# KiCad board reform2-motherboard.kicad_pcb (continued)
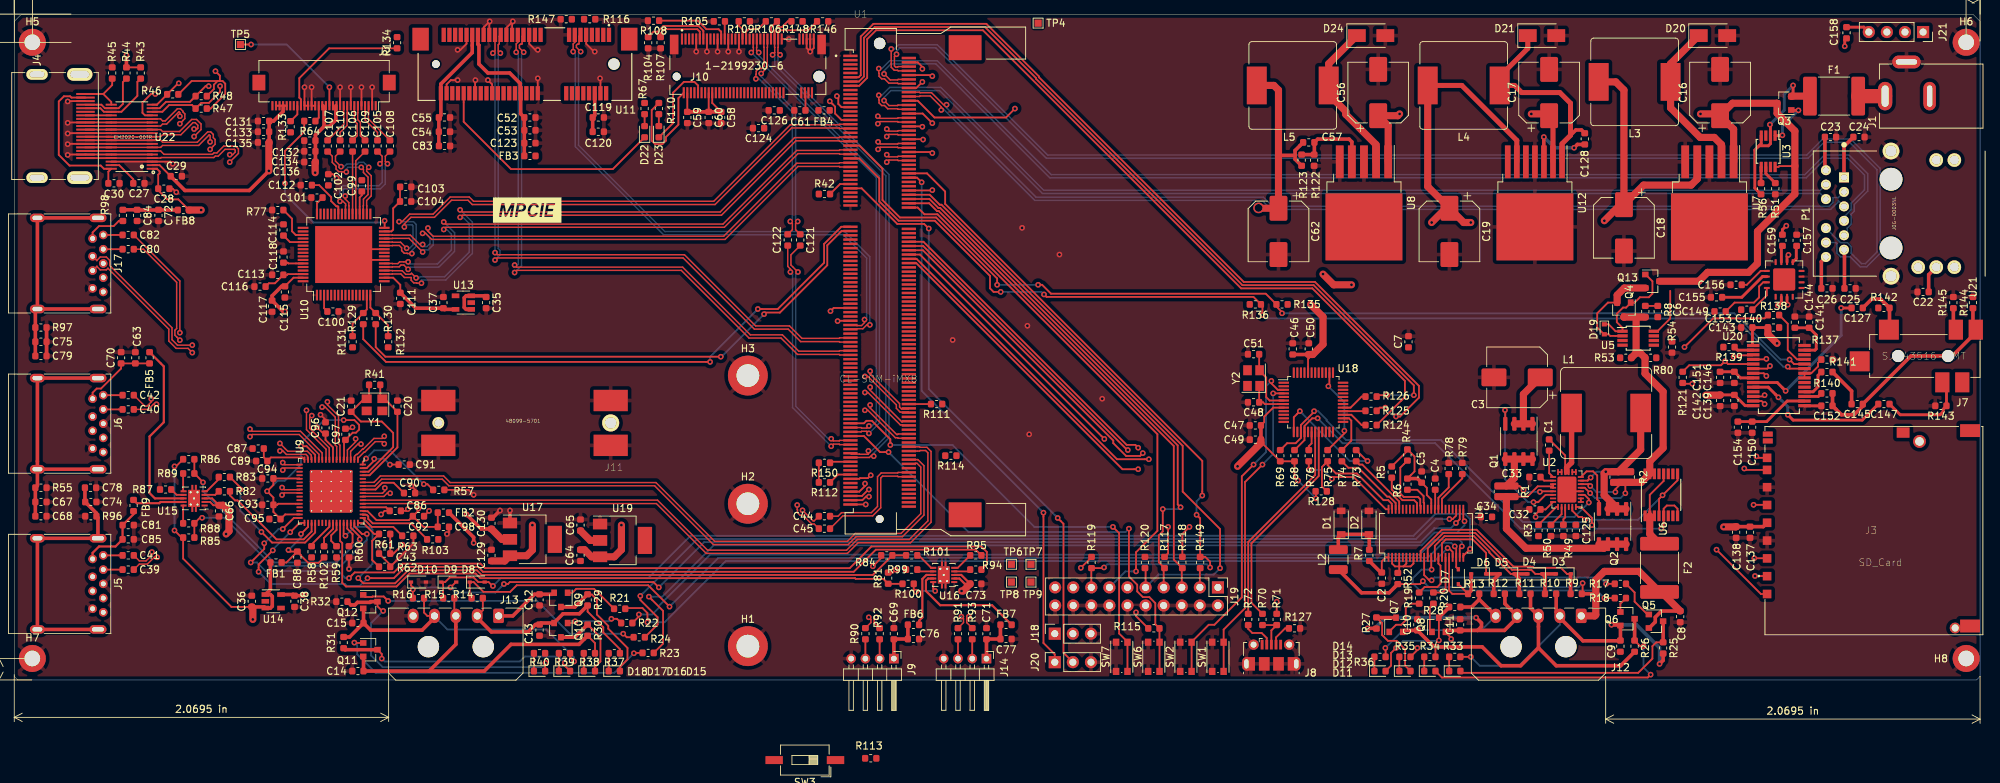
[diagram p0: board, top side]
## Footprints (pads in the part's own frame, mm; a bottom-side part is the same pattern mirrored in y, then rotated)
C_0603_1608Metric
  rrect 0.875x0.95 smd: 1(-0.787,0) 2(0.787,0)
CP_Elec_8x10
  rrect 3.5x2.5 smd: 1(-3.25,0) 2(3.25,0)
Crystal_SMD_Abracon_ABM8G-4Pin_3.2x2.5mm
  rect 1.4x1.2 smd: 1(-1.1,-0.85) 2(1.1,-0.85) 3(1.1,0.85) 4(-1.1,0.85)
D_SMA
  rect 2.5x1.8 smd: 1(-2,0) 2(2,0)
D_SOD-123
  rect 0.9x1.2 smd: 1(-1.65,0) 2(1.65,0)
D_SOD-323
  rect 0.6x0.45 smd: 1(-1.05,0) 2(1.05,0)
D_SOD-523
  rect 0.6x0.7 smd: 1(-0.7,0) 2(0.7,0)
Fuse_2920_7451Metric
  rrect 1.925x5.45 smd: 1(-3.388,0) 2(3.388,0)
HDMI-685119134923
  rect 0.28x2.6 smd: 1(4.5,0) 2(4,0) 3(3.5,0) 4(3,0) 5(2.5,0) 6(2,0) 7(1.5,0) 8(1,0) 9(0.5,0) 10(0,0) 11(-0.5,0) 12(-1,0) 13(-1.5,0) 14(-2,0) 15(-2.5,0) 16(-3,0) 17(-3.5,0) 18(-4,0) 19(-4.5,0)
  oval 1.778x3.556 hole 1x2.7: SHEL(-7.25,-0.8)
  oval 1.5x3 hole 0.9x2.1: SHEL(-7.25,-6.8) SHEL(7.25,-6.8)
  oval 1.778x3.556 hole 0.9x2.7: SHEL(7.25,-0.8)
Hirose_FH12-30S-0.5SH_1x30-1MP_P0.50mm_Horizontal
  rect 0.3x1.3 smd: 1(-7.25,1.85) 2(-6.75,1.85) 3(-6.25,1.85) 4(-5.75,1.85) 5(-5.25,1.85) 6(-4.75,1.85) 7(-4.25,1.85) 8(-3.75,1.85) 9(-3.25,1.85) 10(-2.75,1.85) 11(-2.25,1.85) 12(-1.75,1.85) 13(-1.25,1.85) 14(-0.75,1.85) 15(-0.25,1.85) 16(0.25,1.85) 17(0.75,1.85) 18(1.25,1.85) 19(1.75,1.85) 20(2.25,1.85) 21(2.75,1.85) 22(3.25,1.85) 23(3.75,1.85) 24(4.25,1.85) 25(4.75,1.85) 26(5.25,1.85) 27(5.75,1.85) 28(6.25,1.85) 29(6.75,1.85) 30(7.25,1.85)
  rect 1.8x2.2 smd: MP(-9.15,-1.4) MP(9.15,-1.4)
HTQFP-64-1EP_10x10mm_P0.5mm_EP8x8mm
  rect 3.2x3.2 smd: (-2,2) (-2,-2) (2,2) (2,-2)
  rect 1.5x0.3 smd: 1(-5.7,3.75) 2(-5.7,3.25) 3(-5.7,2.75) 4(-5.7,2.25) 5(-5.7,1.75) 6(-5.7,1.25) 7(-5.7,0.75) 8(-5.7,0.25) 9(-5.7,-0.25) 10(-5.7,-0.75) 11(-5.7,-1.25) 12(-5.7,-1.75) 13(-5.7,-2.25) 14(-5.7,-2.75) 15(-5.7,-3.25) 16(-5.7,-3.75) 33(5.7,-3.75) 34(5.7,-3.25) 35(5.7,-2.75) 36(5.7,-2.25) 37(5.7,-1.75) 38(5.7,-1.25) 39(5.7,-0.75) 40(5.7,-0.25) 41(5.7,0.25) 42(5.7,0.75) 43(5.7,1.25) 44(5.7,1.75) 45(5.7,2.25) 46(5.7,2.75) 47(5.7,3.25) 48(5.7,3.75)
  rect 0.3x1.5 smd: 17(-3.75,-5.7) 18(-3.25,-5.7) 19(-2.75,-5.7) 20(-2.25,-5.7) 21(-1.75,-5.7) 22(-1.25,-5.7) 23(-0.75,-5.7) 24(-0.25,-5.7) 25(0.25,-5.7) 26(0.75,-5.7) 27(1.25,-5.7) 28(1.75,-5.7) 29(2.25,-5.7) 30(2.75,-5.7) 31(3.25,-5.7) 32(3.75,-5.7) 49(3.75,5.7) 50(3.25,5.7) 51(2.75,5.7) 52(2.25,5.7) 53(1.75,5.7) 54(1.25,5.7) 55(0.75,5.7) 56(0.25,5.7) 57(-0.25,5.7) 58(-0.75,5.7) 59(-1.25,5.7) 60(-1.75,5.7) 61(-2.25,5.7) 62(-2.75,5.7) 63(-3.25,5.7) 64(-3.75,5.7)
  rect 8x8 smd: 65(0,0)
L_0603_1608Metric
  rrect 0.875x0.95 smd: 1(-0.787,0) 2(0.787,0)
L_1210_3225Metric
  rrect 1.25x2.65 smd: 1(-1.4,0) 2(1.4,0)
L_Bourns_SRR1210A
  rect 2.8x5.3 smd: 1(-5.05,0) 2(5.05,0)
L_Bourns_SRR1260
  rect 2.9x5.4 smd: 1(-4.85,0) 2(4.85,0)
LED_0603_1608Metric
  rrect 0.875x0.95 smd: 1(-0.787,0) 2(0.787,0)
LQFP-48_7x7mm_P0.5mm
  rrect 1.475x0.3 smd: 1(-4.162,2.75) 2(-4.162,2.25) 3(-4.162,1.75) 4(-4.162,1.25) 5(-4.162,0.75) 6(-4.162,0.25) 7(-4.162,-0.25) 8(-4.162,-0.75) 9(-4.162,-1.25) 10(-4.162,-1.75) 11(-4.162,-2.25) 12(-4.162,-2.75) 25(4.162,-2.75) 26(4.162,-2.25) 27(4.162,-1.75) 28(4.162,-1.25) 29(4.162,-0.75) 30(4.162,-0.25) 31(4.162,0.25) 32(4.162,0.75) 33(4.162,1.25) 34(4.162,1.75) 35(4.162,2.25) 36(4.162,2.75)
  rrect 0.3x1.475 smd: 13(-2.75,-4.162) 14(-2.25,-4.162) 15(-1.75,-4.162) 16(-1.25,-4.162) 17(-0.75,-4.162) 18(-0.25,-4.162) 19(0.25,-4.162) 20(0.75,-4.162) 21(1.25,-4.162) 22(1.75,-4.162) 23(2.25,-4.162) 24(2.75,-4.162) 37(2.75,4.162) 38(2.25,4.162) 39(1.75,4.162) 40(1.25,4.162) 41(0.75,4.162) 42(0.25,4.162) 43(-0.25,4.162) 44(-0.75,4.162) 45(-1.25,4.162) 46(-1.75,4.162) 47(-2.25,4.162) 48(-2.75,4.162)
MOLEX_48099-5701
  rect 4.8x3 smd: 1(-12.1,-3.15) 2(-12.1,3.15) 3(12.1,-3.15) 4(12.1,3.15)
  round 2.4 hole 1.6: 5(-12.1,0)
  round 1.65 hole 1.1: 6(12.1,0)
MOLEX_67910-5700
  round 1.6 hole 1.6 unplated: (-10.7,0)
  round 1.1 hole 1.1 unplated: (14.3,0)
  rect 0.6x2 smd: 1(-10,-4.1) 2(-9.6,4.1) 3(-9.2,-4.1) 4(-8.8,4.1) 5(-8.4,-4.1) 6(-8,4.1) 7(-7.6,-4.1) 8(-7.2,4.1) 9(-6.8,-4.1) 10(-6.4,4.1) 11(-6,-4.1) 12(-5.6,4.1) 13(-5.2,-4.1) 14(-4.8,4.1) 15(-4.4,-4.1) 16(-4,4.1) 17(-0.4,-4.1) 18(0,4.1) 19(0.4,-4.1) 20(0.8,4.1) 21(1.2,-4.1) 22(1.6,4.1) 23(2,-4.1) 24(2.4,4.1) 25(2.8,-4.1) 26(3.2,4.1) 27(3.6,-4.1) 28(4,4.1) 29(4.4,-4.1) 30(4.8,4.1) 31(5.2,-4.1) 32(5.6,4.1) 33(6,-4.1) 34(6.4,4.1) 35(6.8,-4.1) 36(7.2,4.1) 37(7.6,-4.1) 38(8,4.1) 39(8.4,-4.1) 40(8.8,4.1) 41(9.2,-4.1) 42(9.6,4.1) 43(10,-4.1) 44(10.4,4.1) 45(10.8,-4.1) 46(11.2,4.1) 47(11.6,-4.1) 48(12,4.1) 49(12.4,-4.1) 50(12.8,4.1) 51(13.2,-4.1) 52(13.6,4.1)
  rect 2.3x3.2 smd: 53(-12.85,-3.5) 54(16.45,-3.5)
Molex_Micro-Fit_3.0_43650-0500_1x05_P3.00mm_Horizontal
  round 3 hole 3 unplated: (2.15,4.32) (9.85,4.32)
  rrect 1.5x2.02 hole 1.02: 1(0,0)
  oval 1.5x2.02 hole 1.02: 2(3,0) 3(6,0) 4(9,0) 5(12,0)
MountingHole_2.2mm_M2_DIN965_Pad
  round 3.8 hole 2.2: 1(0,0)
MountingHole_3.2mm_M3_DIN965_Pad
  round 5.6 hole 3.2: 1(0,0)
MSOP-8_3x3mm_P0.65mm
  rect 1.45x0.45 smd: 1(-2.2,0.975) 2(-2.2,0.325) 3(-2.2,-0.325) 4(-2.2,-0.975) 5(2.2,-0.975) 6(2.2,-0.325) 7(2.2,0.325) 8(2.2,0.975)
PinHeader_1x04_P2.00mm_Horizontal
  rect 1.35x1.35 hole 0.8: 1(0,0)
  oval 1.35x1.35 hole 0.8: 2(0,-2) 3(0,-4) 4(0,-6)
PinHeader_2x10_P2.54mm_Vertical
  rect 1.7x1.7 hole 1: 1(0,0)
  oval 1.7x1.7 hole 1: 2(2.54,0) 3(0,-2.54) 4(2.54,-2.54) 5(0,-5.08) 6(2.54,-5.08) 7(0,-7.62) 8(2.54,-7.62) 9(0,-10.16) 10(2.54,-10.16) 11(0,-12.7) 12(2.54,-12.7) 13(0,-15.24) 14(2.54,-15.24) 15(0,-17.78) 16(2.54,-17.78) 17(0,-20.32) 18(2.54,-20.32) 19(0,-22.86) 20(2.54,-22.86)
PinSocket_1x03_P2.54mm_Vertical
  rect 1.7x1.7 hole 1: 1(0,0)
  oval 1.7x1.7 hole 1: 2(0,-2.54) 3(0,-5.08)
PinSocket_1x04_P2.54mm_Vertical
  rect 1.7x1.7 hole 1: 1(0,0)
  oval 1.7x1.7 hole 1: 2(0,-2.54) 3(0,-5.08) 4(0,-7.62)
PULSE_J0G-0003NL
  round 3.2 hole 3.2 unplated: (-4.825,0) (4.825,0)
  rect 1.398x1.398 hole 0.89: 1(-5.075,-6.6)
  round 1.398 hole 0.89: 2(-3.045,-6.6) 3(-1.015,-6.6) 4(1.015,-6.6) 5(3.045,-6.6) 6(5.075,-6.6) 7(-6.095,-9.14) 8(-4.065,-9.14) 9(-2.035,-9.14) 10(2.035,-9.14) 11(4.065,-9.14) 12(6.095,-9.14)
  round 1.905 hole 1.27: 13(-7.52,6.35) 14(-7.52,8.89) 15(7.52,3.81) 16(7.52,6.35) 17(7.52,8.89)
  round 2.355 hole 1.57: SH1(-8.79,0) SH2(8.79,0)
QFN-28-1EP_4x5mm_P0.5mm_EP2.65x3.65mm
  rrect 1.07x0.98 smd: (-0.66,1.22) (-0.66,0) (-0.66,-1.22) (0.66,1.22) (0.66,0) (0.66,-1.22)
  rrect 0.85x0.25 smd: 1(-1.95,1.75) 2(-1.95,1.25) 3(-1.95,0.75) 4(-1.95,0.25) 5(-1.95,-0.25) 6(-1.95,-0.75) 7(-1.95,-1.25) 8(-1.95,-1.75) 15(1.95,-1.75) 16(1.95,-1.25) 17(1.95,-0.75) 18(1.95,-0.25) 19(1.95,0.25) 20(1.95,0.75) 21(1.95,1.25) 22(1.95,1.75)
  rrect 0.25x0.85 smd: 9(-1.25,-2.45) 10(-0.75,-2.45) 11(-0.25,-2.45) 12(0.25,-2.45) 13(0.75,-2.45) 14(1.25,-2.45) 23(1.25,2.45) 24(0.75,2.45) 25(0.25,2.45) 26(-0.25,2.45) 27(-0.75,2.45) 28(-1.25,2.45)
  rrect 2.65x3.65 smd: 29(0,0)
QFN-64-1EP_9x9mm_P0.5mm_EP6x6mm_ThermalVias
  rrect 1.209x1.209 smd: (-2.062,2.062) (-2.062,0.688) (-2.062,-0.688) (-2.062,-2.062) (-0.688,2.062) (-0.688,0.688) (-0.688,-0.688) (-0.688,-2.062) (0.688,2.062) (0.688,0.688) (0.688,-0.688) (0.688,-2.062) (2.062,2.062) (2.062,0.688) (2.062,-0.688) (2.062,-2.062)
  rrect 0.875x0.25 smd: 1(-4.438,3.75) 2(-4.438,3.25) 3(-4.438,2.75) 4(-4.438,2.25) 5(-4.438,1.75) 6(-4.438,1.25) 7(-4.438,0.75) 8(-4.438,0.25) 9(-4.438,-0.25) 10(-4.438,-0.75) 11(-4.438,-1.25) 12(-4.438,-1.75) 13(-4.438,-2.25) 14(-4.438,-2.75) 15(-4.438,-3.25) 16(-4.438,-3.75) 33(4.438,-3.75) 34(4.438,-3.25) 35(4.438,-2.75) 36(4.438,-2.25) 37(4.438,-1.75) 38(4.438,-1.25) 39(4.438,-0.75) 40(4.438,-0.25) 41(4.438,0.25) 42(4.438,0.75) 43(4.438,1.25) 44(4.438,1.75) 45(4.438,2.25) 46(4.438,2.75) 47(4.438,3.25) 48(4.438,3.75)
  rrect 0.25x0.875 smd: 17(-3.75,-4.438) 18(-3.25,-4.438) 19(-2.75,-4.438) 20(-2.25,-4.438) 21(-1.75,-4.438) 22(-1.25,-4.438) 23(-0.75,-4.438) 24(-0.25,-4.438) 25(0.25,-4.438) 26(0.75,-4.438) 27(1.25,-4.438) 28(1.75,-4.438) 29(2.25,-4.438) 30(2.75,-4.438) 31(3.25,-4.438) 32(3.75,-4.438) 49(3.75,4.438) 50(3.25,4.438) 51(2.75,4.438) 52(2.25,4.438) 53(1.75,4.438) 54(1.25,4.438) 55(0.75,4.438) 56(0.25,4.438) 57(-0.25,4.438) 58(-0.75,4.438) 59(-1.25,4.438) 60(-1.75,4.438) 61(-2.25,4.438) 62(-2.75,4.438) 63(-3.25,4.438) 64(-3.75,4.438)
  round 0.5 hole 0.2: 65(-2.75,2.75) 65(-2.75,1.375) 65(-2.75,0) 65(-2.75,-1.375) 65(-2.75,-2.75) 65(-1.375,2.75) 65(-1.375,1.375) 65(-1.375,0) 65(-1.375,-1.375) 65(-1.375,-2.75) 65(0,2.75) 65(0,1.375) 65(0,0) 65(0,-1.375) 65(0,-2.75) 65(1.375,2.75) 65(1.375,1.375) 65(1.375,0) 65(1.375,-1.375) 65(1.375,-2.75) 65(2.75,2.75) 65(2.75,1.375) 65(2.75,0) 65(2.75,-1.375) 65(2.75,-2.75)
  rrect 6x6 smd: 65(0,0)
  rrect 6x6 smd far side: 65(0,0)
R_0603_1608Metric
  rrect 0.875x0.95 smd: 1(-0.787,0) 2(0.787,0)
R_0612_1632Metric
  rrect 1x3.4 smd: 1(-0.75,0) 2(0.75,0)
SJ-43516-SMT
  round 1.7 hole 1.7 unplated: (-3.5,0) (3.5,0)
  rect 2x2.8 smd: 1(-7.4,-3.7) 3(-2.7,3.7) 4(-4.6,-3.7) 6(-5.5,3.7)
  rect 2.8x2.8 smd: 2(4.8,-3.7) 5(8.9,0.75)
SOIC-8_3.9x4.9mm_P1.27mm
  rrect 1.95x0.6 smd: 1(-2.475,1.905) 2(-2.475,0.635) 3(-2.475,-0.635) 4(-2.475,-1.905) 5(2.475,-1.905) 6(2.475,-0.635) 7(2.475,0.635) 8(2.475,1.905)
SOT-23
  rect 0.9x0.8 smd: 1(-1,0.95) 2(-1,-0.95) 3(1,0)
SOT-23-5
  rect 1.06x0.65 smd: 1(-1.1,0.95) 2(-1.1,0) 3(-1.1,-0.95) 4(1.1,-0.95) 5(1.1,0.95)
SOT-223
  rect 2x1.5 smd: 1(-3.15,2.3) 2(-3.15,0) 3(-3.15,-2.3)
  rect 2x3.8 smd: 4(3.15,0)
SSOP-28_5.3x10.2mm_P0.65mm
  rect 1.75x0.45 smd: 1(-3.6,4.225) 2(-3.6,3.575) 3(-3.6,2.925) 4(-3.6,2.275) 5(-3.6,1.625) 6(-3.6,0.975) 7(-3.6,0.325) 8(-3.6,-0.325) 9(-3.6,-0.975) 10(-3.6,-1.625) 11(-3.6,-2.275) 12(-3.6,-2.925) 13(-3.6,-3.575) 14(-3.6,-4.225) 15(3.6,-4.225) 16(3.6,-3.575) 17(3.6,-2.925) 18(3.6,-2.275) 19(3.6,-1.625) 20(3.6,-0.975) 21(3.6,-0.325) 22(3.6,0.325) 23(3.6,0.975) 24(3.6,1.625) 25(3.6,2.275) 26(3.6,2.925) 27(3.6,3.575) 28(3.6,4.225)
SSOP-44_5.3x12.8mm_P0.5mm
  rect 1.25x0.25 smd: 1(-3.375,5.25) 2(-3.375,4.75) 3(-3.375,4.25) 4(-3.375,3.75) 5(-3.375,3.25) 6(-3.375,2.75) 7(-3.375,2.25) 8(-3.375,1.75) 9(-3.375,1.25) 10(-3.375,0.75) 11(-3.375,0.25) 12(-3.375,-0.25) 13(-3.375,-0.75) 14(-3.375,-1.25) 15(-3.375,-1.75) 16(-3.375,-2.25) 17(-3.375,-2.75) 18(-3.375,-3.25) 19(-3.375,-3.75) 20(-3.375,-4.25) 21(-3.375,-4.75) 22(-3.375,-5.25) 23(3.375,-5.25) 24(3.375,-4.75) 25(3.375,-4.25) 26(3.375,-3.75) 27(3.375,-3.25) 28(3.375,-2.75) 29(3.375,-2.25) 30(3.375,-1.75) 31(3.375,-1.25) 32(3.375,-0.75) 33(3.375,-0.25) 34(3.375,0.25) 35(3.375,0.75) 36(3.375,1.25) 37(3.375,1.75) 38(3.375,2.25) 39(3.375,2.75) 40(3.375,3.25) 41(3.375,3.75) 42(3.375,4.25) 43(3.375,4.75) 44(3.375,5.25)
SW_DIP_SPSTx01_Slide_6.7x4.1mm_W8.61mm_P2.54mm_LowProfile
  rect 2.44x1.12 smd: 1(-4.305,0) 2(4.305,0)
SW_Push_1P1T_NO_CK_KMR2
  rect 1x0.9 smd: 1(-2.05,0.8) 1(2.05,0.8) 2(-2.05,-0.8) 2(2.05,-0.8)
SWC_RAPC712X
  oval 4x2 hole 3x1: 1(0,3)
  oval 1.8x4 hole 0.75x3: 2(4.8,0)
  oval 4x1.75 hole 3x0.75: 3(0,-3.25)
TE_1-2199230-6
  round 1.1 hole 1.1 unplated: (-10,0)
  round 1.6 hole 1.6 unplated: (10,0)
  rect 0.3x1.55 smd: 1(-9.25,5.275) 2(-9,-2.275) 3(-8.75,5.275) 4(-8.5,-2.275) 5(-8.25,5.275) 6(-8,-2.275) 7(-7.75,5.275) 8(-7.5,-2.275) 9(-7.25,5.275) 10(-7,-2.275) 11(-6.75,5.275) 12(-6.5,-2.275) 13(-6.25,5.275) 14(-6,-2.275) 15(-5.75,5.275) 16(-5.5,-2.275) 17(-5.25,5.275) 18(-5,-2.275) 19(-4.75,5.275) 20(-4.5,-2.275) 21(-4.25,5.275) 22(-4,-2.275) 23(-3.75,5.275) 24(-3.5,-2.275) 25(-3.25,5.275) 26(-3,-2.275) 27(-2.75,5.275) 28(-2.5,-2.275) 29(-2.25,5.275) 30(-2,-2.275) 31(-1.75,5.275) 32(-1.5,-2.275) 33(-1.25,5.275) 34(-1,-2.275) 35(-0.75,5.275) 36(-0.5,-2.275) 37(-0.25,5.275) 38(0,-2.275) 39(0.25,5.275) 40(0.5,-2.275) 41(0.75,5.275) 42(1,-2.275) 43(1.25,5.275) 44(1.5,-2.275) 45(1.75,5.275) 46(2,-2.275) 47(2.25,5.275) 48(2.5,-2.275) 49(2.75,5.275) 50(3,-2.275) 51(3.25,5.275) 52(3.5,-2.275) 53(3.75,5.275) 54(4,-2.275) 55(4.25,5.275) 56(4.5,-2.275) 57(4.75,5.275) 58(5,-2.275) 67(7.25,5.275) 68(7.5,-2.275) 69(7.75,5.275) 70(8,-2.275) 71(8.25,5.275) 72(8.5,-2.275) 73(8.75,5.275) 74(9,-2.275) 75(9.25,5.275)
  rect 1.2x2.75 smd: S1(-10.35,4.5) S2(10.35,4.5)
TE_2-2013289-1
  round 1.6 hole 1.6 unplated: (0,33.4)
  round 1.1 hole 1.1 unplated: (0,-33.4)
  rect 2x0.35 smd: 1(-4.1,31.65) 2(4.1,31.35) 3(-4.1,31.05) 4(4.1,30.75) 5(-4.1,30.45) 6(4.1,30.15) 7(-4.1,29.85) 8(4.1,29.55) 9(-4.1,29.25) 10(4.1,28.95) 11(-4.1,28.65) 12(4.1,28.35) 13(-4.1,28.05) 14(4.1,27.75) 15(-4.1,27.45) 16(4.1,27.15) 17(-4.1,26.85) 18(4.1,26.55) 19(-4.1,26.25) 20(4.1,25.95) 21(-4.1,25.65) 22(4.1,25.35) 23(-4.1,25.05) 24(4.1,24.75) 25(-4.1,24.45) 26(4.1,24.15) 27(-4.1,23.85) 28(4.1,23.55) 29(-4.1,23.25) 30(4.1,22.95) 31(-4.1,22.65) 32(4.1,22.35) 33(-4.1,22.05) 34(4.1,21.75) 35(-4.1,21.45) 36(4.1,21.15) 37(-4.1,20.85) 38(4.1,20.55) 39(-4.1,20.25) 40(4.1,19.95) 41(-4.1,19.65) 42(4.1,19.35) 43(-4.1,19.05) 44(4.1,18.75) 45(-4.1,18.45) 46(4.1,18.15) 47(-4.1,17.85) 48(4.1,17.55) 49(-4.1,17.25) 50(4.1,16.95) 51(-4.1,16.65) 52(4.1,16.35) 53(-4.1,16.05) 54(4.1,15.75) 55(-4.1,15.45) 56(4.1,15.15) 57(-4.1,14.85) 58(4.1,14.55) 59(-4.1,14.25) 60(4.1,13.95) 61(-4.1,13.65) 62(4.1,13.35) 63(-4.1,13.05) 64(4.1,12.75) 65(-4.1,12.45) 66(4.1,12.15) 67(-4.1,11.85) 68(4.1,11.55) 69(-4.1,11.25) 70(4.1,10.95) 71(-4.1,10.65) 72(4.1,10.35) 73(-4.1,7.65) 74(4.1,7.35) 75(-4.1,7.05) 76(4.1,6.75) 77(-4.1,6.45) 78(4.1,6.15) 79(-4.1,5.85) 80(4.1,5.55) 81(-4.1,5.25) 82(4.1,4.95) 83(-4.1,4.65) 84(4.1,4.35) 85(-4.1,4.05) 86(4.1,3.75) 87(-4.1,3.45) 88(4.1,3.15) 89(-4.1,2.85) 90(4.1,2.55) 91(-4.1,2.25) 92(4.1,1.95) 93(-4.1,1.65) 94(4.1,1.35) 95(-4.1,1.05) 96(4.1,0.75) 97(-4.1,0.45) 98(4.1,0.15) 99(-4.1,-0.15) 100(4.1,-0.45) 101(-4.1,-0.75) 102(4.1,-1.05) 103(-4.1,-1.35) 104(4.1,-1.65) 105(-4.1,-1.95) 106(4.1,-2.25) 107(-4.1,-2.55) 108(4.1,-2.85) 109(-4.1,-3.15) 110(4.1,-3.45) 111(-4.1,-3.75) 112(4.1,-4.05) 113(-4.1,-4.35) 114(4.1,-4.65) 115(-4.1,-4.95) 116(4.1,-5.25) 117(-4.1,-5.55) 118(4.1,-5.85) 119(-4.1,-6.15) 120(4.1,-6.45) 121(-4.1,-6.75) 122(4.1,-7.05) 123(-4.1,-7.35) 124(4.1,-7.65) 125(-4.1,-7.95) 126(4.1,-8.25) 127(-4.1,-8.55) 128(4.1,-8.85) 129(-4.1,-9.15) 130(4.1,-9.45) 131(-4.1,-9.75) 132(4.1,-10.05) 133(-4.1,-10.35) 134(4.1,-10.65) 135(-4.1,-10.95) 136(4.1,-11.25) 137(-4.1,-11.55) 138(4.1,-11.85) 139(-4.1,-12.15) 140(4.1,-12.45) 141(-4.1,-12.75) 142(4.1,-13.05) 143(-4.1,-13.35) 144(4.1,-13.65) 145(-4.1,-13.95) 146(4.1,-14.25) 147(-4.1,-14.55) 148(4.1,-14.85) 149(-4.1,-15.15) 150(4.1,-15.45) 151(-4.1,-15.75) 152(4.1,-16.05) 153(-4.1,-16.35) 154(4.1,-16.65) 155(-4.1,-16.95) 156(4.1,-17.25) 157(-4.1,-17.55) 158(4.1,-17.85) 159(-4.1,-18.15) 160(4.1,-18.45) 161(-4.1,-18.75) 162(4.1,-19.05) 163(-4.1,-19.35) 164(4.1,-19.65) 165(-4.1,-19.95) 166(4.1,-20.25) 167(-4.1,-20.55) 168(4.1,-20.85) 169(-4.1,-21.15) 170(4.1,-21.45) 171(-4.1,-21.75) 172(4.1,-22.05) 173(-4.1,-22.35) 174(4.1,-22.65) 175(-4.1,-22.95) 176(4.1,-23.25) 177(-4.1,-23.55) 178(4.1,-23.85) 179(-4.1,-24.15) 180(4.1,-24.45) 181(-4.1,-24.75) 182(4.1,-25.05) 183(-4.1,-25.35) 184(4.1,-25.65) 185(-4.1,-25.95) 186(4.1,-26.25) 187(-4.1,-26.55) 188(4.1,-26.85) 189(-4.1,-27.15) 190(4.1,-27.45) 191(-4.1,-27.75) 192(4.1,-28.05) 193(-4.1,-28.35) 194(4.1,-28.65) 195(-4.1,-28.95) 196(4.1,-29.25) 197(-4.1,-29.55) 198(4.1,-29.85) 199(-4.1,-30.15) 200(4.1,-30.45) 201(-4.1,-30.75) 202(4.1,-31.05) 203(-4.1,-31.35) 204(4.1,-31.65)
  rect 4.6x3.5 smd: SH1(12,32.8) SH2(12,-32.8)
TE_1775059-1
  rect 1.2x1.2 smd: 1(-21.4,-18.925) 2(-21.4,-16.425) 3(-21.4,-13.925) 4(-21.4,-11.425) 5(-21.4,-8.925) 6(-21.4,-6.425) 7(-21.4,-4) 8(-21.4,-2.3) 9(-21.4,-21.425)
  rect 1.4x0.73 smd: D_SW(-21.3,0.07) SW(-21.3,1.03)
  round 1.8 hole 1.2: P1(0,0)
  round 1.508 hole 1: P2(5,-26.2)
  rect 2.8x1.8 smd: PEG1(7.1,1.52) PEG2(7.1,-25.92)
  rect 1.8x1.45 smd: P_SW(-2.3,1.25)
TestPoint_Pad_1.0x1.0mm
  rect 1x1 smd: 1(0,0)
TO-263-5_TabPin6
  rect 4.55x5.25 smd: (0.95,2.775) (0.95,-2.775) (5.8,2.775) (5.8,-2.775)
  rect 4.6x1.1 smd: 1(-5.775,3.4) 2(-5.775,1.7) 3(-5.775,0) 4(-5.775,-1.7) 5(-5.775,-3.4)
  rect 9.4x10.8 smd: 6(3.375,0)
TO-263-7_TabPin8
  rect 4.55x5.25 smd: (0.95,2.775) (0.95,-2.775) (5.8,2.775) (5.8,-2.775)
  rect 4.6x0.8 smd: 1(-5.775,3.81) 2(-5.775,2.54) 3(-5.775,1.27) 4(-5.775,0) 5(-5.775,-1.27) 6(-5.775,-2.54) 7(-5.775,-3.81)
  rect 9.4x10.8 smd: 8(3.375,0)
TQFN-16-1EP_5x5mm_P0.8mm_EP3.1x3.1mm
  rrect 1.25x1.25 smd: (-0.775,0.775) (-0.775,-0.775) (0.775,0.775) (0.775,-0.775)
  rrect 0.825x0.3 smd: 1(-2.438,1.2) 2(-2.438,0.4) 3(-2.438,-0.4) 4(-2.438,-1.2) 9(2.438,-1.2) 10(2.438,-0.4) 11(2.438,0.4) 12(2.438,1.2)
  rrect 0.3x0.825 smd: 5(-1.2,-2.438) 6(-0.4,-2.438) 7(0.4,-2.438) 8(1.2,-2.438) 13(1.2,2.438) 14(0.4,2.438) 15(-0.4,2.438) 16(-1.2,2.438)
  rrect 3.1x3.1 smd: 17(0,0)
TSSOP50P640X120-38N
  rect 1.56x0.26 smd: 1(-2.88,4.5) 2(-2.88,4) 3(-2.88,3.5) 4(-2.88,3) 5(-2.88,2.5) 6(-2.88,2) 7(-2.88,1.5) 8(-2.88,1) 9(-2.88,0.5) 10(-2.88,0) 11(-2.88,-0.5) 12(-2.88,-1) 13(-2.88,-1.5) 14(-2.88,-2) 15(-2.88,-2.5) 16(-2.88,-3) 17(-2.88,-3.5) 18(-2.88,-4) 19(-2.88,-4.5) 20(2.88,-4.5) 21(2.88,-4) 22(2.88,-3.5) 23(2.88,-3) 24(2.88,-2.5) 25(2.88,-2) 26(2.88,-1.5) 27(2.88,-1) 28(2.88,-0.5) 29(2.88,0) 30(2.88,0.5) 31(2.88,1) 32(2.88,1.5) 33(2.88,2) 34(2.88,2.5) 35(2.88,3) 36(2.88,3.5) 37(2.88,4) 38(2.88,4.5)
TSSOP-16_4.4x5mm_P0.65mm
  rect 1.5x0.45 smd: 1(-2.95,2.275) 2(-2.95,1.625) 3(-2.95,0.975) 4(-2.95,0.325) 5(-2.95,-0.325) 6(-2.95,-0.975) 7(-2.95,-1.625) 8(-2.95,-2.275) 9(2.95,-2.275) 10(2.95,-1.625) 11(2.95,-0.975) 12(2.95,-0.325) 13(2.95,0.325) 14(2.95,0.975) 15(2.95,1.625) 16(2.95,2.275)
USB3_A_Molex_48393-001
  round 1.2 hole 0.7: 1(0,0) 2(2.5,0) 3(4.5,0) 4(7,0) 5(7.5,1.5) 6(5.5,1.5) 7(3.5,1.5) 8(1.5,1.5) 9(-0.5,1.5)
  oval 1.2x2.4 hole 0.6x1.7: 10(-2.9,0.75) 10(9.9,0.75)
  oval 1.2x2.1 hole 0.6x1.4: 10(-2.9,-7.75) 10(9.9,-7.75)
USB_Micro-B_Molex-105017-0001
  rect 0.4x1.35 smd: 1(-1.3,1.462) 2(-0.65,1.462) 3(0,1.462) 4(0.65,1.462) 5(1.3,1.462)
  oval 1.2x1.9 hole 0.6x1.3: 6(-3.5,-1.238) 6(3.5,-1.238)
  rect 1.2x1.9 smd: 6(-2.9,-1.238) 6(2.9,-1.238)
  round 1.45 hole 0.85: 6(-2.5,1.462) 6(2.5,1.462)
  rect 1.5x1.9 smd: 6(-1,-1.238) 6(1,-1.238)
VSON-10-1EP_3x3mm_P0.5mm_EP1.65x2.4mm_ThermalVias
  rect 0.64x0.64 smd: (-0.48,0.86) (-0.48,0) (-0.48,-0.86) (0.48,0.86) (0.48,0) (0.48,-0.86)
  rect 0.85x0.28 smd: 1(-1.475,1) 2(-1.475,0.5) 3(-1.475,0) 4(-1.475,-0.5) 5(-1.475,-1) 6(1.475,-1) 7(1.475,-0.5) 8(1.475,0) 9(1.475,0.5) 10(1.475,1)
  round 0.6 hole 0.3: 11(-0.48,0.86) 11(-0.48,-0.86) 11(0,0) 11(0.48,0.86) 11(0.48,-0.86)
  rect 0.28x0.7 smd: 11(-0.25,1.55) 11(-0.25,-1.55) 11(0.25,1.55) 11(0.25,-1.55)
  rect 1.65x2.4 smd: 11(0,0)
  rect 1.65x2.4 smd far side: 11(0,0)

## Nets
+1V1: C38.1 FB2.1 U14.5
+1V2: C37.1 C99.1 C100.1 C101.1 C102.1 C103.1 C104.1 C111.1 C113.1 C116.1 C118.1 U10.3 U10.17 U10.18 U10.31 U10.33 U10.36 U10.41 U10.43 U10.48 U10.49 U10.59 U10.62 U13.5
+1V5: C65.1 C119.1 C120.1 U11.6 U11.28 U11.48 U19.2
+1V8: C112.1 C114.1 C115.1 C117.1 C130.1 R131.2 R132.2 U10.42 U10.53 U10.63 U17.2
+3V3: C7.1 C19.1 C22.1 C29.1 C35.1 C36.1 C46.1 C47.1 C49.1 C50.1 C64.1 C129.1 C131.1 C132.1 C133.1 C134.1 C135.1 C136.1 C137.1 C138.1 C139.1 C140.1 C142.1 C143.1 C146.1 C151.1 FB1.1 FB3.1 FB4.1 J2.12 J2.13 J2.15 J2.16 J2.26 J2.27 J2.28 J2.29 J3.4 J19.1 L4.2 P1.14 P1.16 R42.1 R46.2 R47.2 R48.2 R67.1 R68.1 R69.1 R71.1 R81.2 R84.2 R85.2 R86.2 R112.2 R113.2 R115.1 R117.1 R118.1 R119.1 R128.2 R135.1 R136.1 R150.2 U6.10 U12.6 U13.1 U13.3 U14.1 U14.3 U17.3 U18.8 U18.44 U19.3 U20.1 U20.8 U20.14 U22.2
+4V: C57.1 C62.1 L5.2 R123.1 U1.10 U1.28 U1.46 U1.64 U1.78 U1.96 U1.114 U1.132 U1.150 U1.168 U1.186 U1.204
+36V: F1.2 J1.1
/Reform 2 Power/28V_GATE2: C16.1 C17.1 C56.1 Q3.3 Q13.3 U3.8 U5.8 U7.1 U8.1 U12.2
/Reform 2 Power/36V_IN: C3.1 F1.1 Q1.1 Q1.2 Q1.3 Q3.2 R56.2 U2.7 U3.2 U3.4
GND: C2.2 C3.2 C4.2 C5.2 C6.2 C7.2 C8.2 C9.2 C10.2 C11.2 C12.2 C13.2 C14.2 C15.2 C16.2 C17.2 C18.2 C19.2 C20.2 C21.2 C22.2 C23.2 C24.2 C25.2 C26.2 C27.1 C28.1 C29.2 C30.2 C32.2 C33.2 C34.2 C35.2 C36.2 C37.2 C38.2 C43.2 C46.2 C47.2 C48.2 C49.2 C50.2 C51.2 C52.2 C53.2 C54.2 C55.2 C56.2 C58.2 C59.2 C60.2 C61.2 C62.2 C63.2 C64.2 C65.2 C66.2 C67.2 C68.2 C69.2 C70.2 C71.2 C72.2 C73.2 C74.2 C75.2 C76.2 C77.2 C78.2 C79.2 C81.2 C83.2 C84.2 C85.2 C86.2 C87.2 C88.2 C89.2 C90.2 C91.2 C92.2 C93.2 C94.2 C95.2 C96.2 C97.2 C98.2 C99.2 C100.2 C101.2 C102.2 C103.2 C104.2 C111.2 C112.2 C113.2 C114.2 C115.2 C116.2 C117.2 C118.2 C119.2 C120.2 C123.2 C124.2 C125.2 C126.2 C129.2 C130.2 C131.2 C132.2 C133.2 C134.2 C135.2 C136.2 C137.2 C138.2 C139.2 C140.2 C141.1 C142.2 C143.2 C144.1 C146.2 C150.2 C151.2 C152.2 C154.2 C155.2 C156.2 C157.2 D1.2 D2.2 D10.2 D20.2 D21.2 D24.2 H1.1 H2.1 H3.1 H5.1 H6.1 H7.1 H8.1 J1.2 J2.2 J2.5 J2.8 J2.11 J2.18 J2.19 J2.20 J2.21 J3.3 J3.6 J4.2 J4.5 J4.8 J4.11 J4.17 J5.4 J5.7 J6.4 J6.7 J8.5 J8.6 J9.4 J10.1 J10.3 J10.9 J10.15 J10.21 J10.27 J10.33 J10.39 J10.45 J10.51 J10.57 J10.71 J10.73 J10.75 J10.S1 J10.S2 J11.1 J11.2 J11.3 J11.4 J13.5 J14.4 J17.4 J17.7 J18.3 J19.2 J19.4 J19.6 J19.8 J19.10 J19.12 J19.14 J19.16 J19.18 J19.20 J20.3 P1.SH1 P1.SH2 R32.1 R40.1 R45.2 R49.2 R50.2 R51.1 R54.1 R55.2 R57.2 R58.2 R59.2 R60.2 R62.2 R63.2 R77.1 R78.2 R79.2 R87.2 R96.2 R97.2 R99.2 R104.2 R105.2 R106.2 R107.2 R108.2 R109.2 R116.2 R120.2 R122.2 R127.1 R137.1 R142.2 R143.2 R144.2 R145.2 R146.2 R147.2 R148.2 SW1.1 SW2.1 SW6.1 SW7.1 U1.1 U1.19 U1.37 U1.55 U1.71 U1.87 U1.105 U1.123 U1.141 U1.159 U1.177 U2.12 U2.15 U2.16 U2.18 U2.23 U2.24 U2.29 U4.26 U4.27 U4.33 U4.37 U4.38 U4.39 U4.40 U6.6 U6.11 U7.3 U7.5 U8.3 U8.5 U9.65 U10.1 U10.23 U10.26 U10.52 U10.64 U10.65 U11.4 U11.9 U11.15 U11.18 U11.21 U11.26 U11.27 U11.29 U11.34 U11.35 U11.37 U11.40 U11.43 U11.50 U12.4 U12.8 U13.2 U14.2 U15.1 U15.11 U16.1 U16.11 U17.1 U18.5 U18.41 U19.1 U20.11 U20.15 U20.28 U21.1 U21.7 U21.12 U21.17 U22.3 U22.5 U22.8 U22.11 U22.14 U22.25 U22.28 U22.31 U22.34 U22.36
/Reform 2 Display/EDAUXN: C107.2 U10.35
/Reform 2 Display/EDAUXP: C110.2 U10.34
/Reform 2 Display/EDP_BL_ENABLE: J2.22 R134.1
/Reform 2 Display/EDP_BL_PWM: J2.23 R133.1
/Reform 2 Display/EDP_HPD: J2.17 R64.1
/Reform 2 Display/EDP_LCD_TEST: J2.14 TP5.1
/Reform 2 Display/ML0N: C106.2 U10.38
/Reform 2 Display/ML0P: C109.2 U10.37
/Reform 2 Display/ML1N: C105.2 U10.40
/Reform 2 Display/ML1P: C108.2 U10.39
/Reform 2 PCIe/M2_SMB_ALERTn: J10.44
/Reform 2 PCIe/M2_SMB_CLK: J10.40
/Reform 2 PCIe/M2_SMB_DATA: J10.42
/Reform 2 PCIe/PCIE2_TXC_N: C122.1 J10.47
/Reform 2 PCIe/PCIE2_TXC_P: C121.1 J10.49
/Reform 2 Power/LPC_AD5: U18.40
/Reform 2 Power/LPC_AD7: U18.42
/Reform 2 Power/LPC_MISO0: R124.1 U18.27
/Reform 2 Power/LPC_MISO1a: U18.30
/Reform 2 Power/LPC_MISO1b: R74.2 U18.26
/Reform 2 Power/LPC_MOSI0: R125.1 U18.28
/Reform 2 Power/LPC_MOSI1a: U18.17
/Reform 2 Power/LPC_MOSI1b: R75.2 U18.38
/Reform 2 Power/LPC_NCTS: U18.23
/Reform 2 Power/LPC_NDTR: U18.2
/Reform 2 Power/LPC_NRESET: SW2.2 U18.3
/Reform 2 Power/LPC_NUSBCON: U18.22
/Reform 2 Power/LPC_RXDa: U18.46
/Reform 2 Power/LPC_RXDb: U18.37
/Reform 2 Power/LPC_RXDc: U18.11
/Reform 2 Power/LPC_SCK0a: R126.1 U18.29
/Reform 2 Power/LPC_SCK0b: U18.31
/Reform 2 Power/LPC_SCK1a: U18.43
/Reform 2 Power/LPC_SCK1b: R73.2 U18.13
/Reform 2 Power/LPC_SCLKa: U18.45
/Reform 2 Power/LPC_SCLKb: U18.21
/Reform 2 Power/LPC_SCLKc: U18.24
/Reform 2 Power/LPC_SSEL0: U18.10
/Reform 2 Power/LPC_SSEL1: R76.2 U18.18
/Reform 2 Power/LPC_SWDIO: U18.39
/Reform 2 Power/LPC_TDI: U18.32
/Reform 2 Power/LPC_TDO: U18.34
/Reform 2 Power/LPC_TMS: U18.33
/Reform 2 Power/LPC_TRST: U18.35
/Reform 2 Power/LPC_TXDa: U18.47
/Reform 2 Power/LPC_TXDb: U18.36
/Reform 2 Power/LPC_TXDc: U18.12
/Reform 2 Power/LPC_UFTOGG: SW1.2 U18.4
/Reform 2 Power/LPC_UVBUS: U18.14
/Reform 2 Power/VREG: C5.1 R4.1 R5.1 R6.1 U4.32
/Reform 2 USB/USB_SSTXN: C45.1 U9.56
/Reform 2 USB/USB_SSTXP: C44.1 U9.55
BACKLIGHT_EN: R134.2 U1.198
BACKLIGHT_PWM: R133.2 U1.200
BAT1+: C8.1 F2.1 J12.1 L2.1 Q5.2 R9.1 R52.2
BAT2+: C9.1 J12.2 Q6.2 R10.1 R25.1 R33.1
BAT3+: C10.1 J12.3 Q7.2 R11.1 R26.1 R34.1
BAT4+: C11.1 J12.4 Q8.2 R12.1 R27.1 R35.1
BAT5+: C12.1 J12.5 J13.1 Q9.2 R13.1 R28.1 R36.1
BAT6+: C13.1 J13.2 Q10.2 R14.1 R29.1 R37.1
BAT7+: C14.1 J13.3 Q11.2 R15.1 R30.1 R38.1
BAT8+: C15.1 J13.4 Q12.2 R16.1 R31.1 R39.1
BATPWR: C125.1 Q4.3 R2.1 R8.1 R53.2 R80.2 U2.19 U2.20 U5.4 U6.14 U6.15 U6.16
BMON_CS: R76.1 U4.44
BMON_SCK: R73.1 U4.41
BMON_SDI: R74.1 U4.42
BMON_SDO: R75.1 R128.1 U4.43
CHG_SCL: R69.2 U2.13 U6.4 U6.9 U18.15
CHG_SDA: R68.2 U2.14 U6.5 U6.8 U18.16
DAC_BCLK: U1.197 U20.3
DAC_DIN: U1.203 U20.6
DAC_DOUT: U1.201 U20.4
DAC_MCLK: R138.2 U1.191
DAC_RXFS: R121.2 U20.7
DAC_SCL: R135.2 U1.43 U20.24
DAC_SDA: R136.2 U1.49 U20.23
DAC_TXFS: R121.1 U1.199 U20.5
DSI_CLK_N: U1.57 U10.25
DSI_CLK_P: U1.59 U10.24
DSI_D0_N: U1.41 U10.20
DSI_D0_P: U1.39 U10.19
DSI_D1_N: U1.47 U10.22
DSI_D1_P: U1.45 U10.21
DSI_D2_N: U1.35 U10.28
DSI_D2_P: U1.33 U10.27
DSI_D3_N: U1.53 U10.30
DSI_D3_P: U1.51 U10.29
EDP_AUX_DN: C107.1 J2.10
EDP_AUX_DP: C110.1 J2.9
EDP_IRQ: U10.61
EDP_RESETn: U10.2
EDP_SCL: R129.2 U1.73
EDP_SDA: R130.2 U1.75
EDP_TX0_DN: C106.1 J2.7
EDP_TX0_DP: C109.1 J2.6
EDP_TX1_DN: C105.1 J2.4
EDP_TX1_DP: C108.1 J2.3
ETH0_A+: P1.11 U1.8
ETH0_A-: P1.10 U1.6
ETH0_B+: P1.4 U1.12
ETH0_B-: P1.5 U1.14
ETH0_C+: P1.3 U1.20
ETH0_C-: P1.2 U1.18
ETH0_D+: P1.8 U1.26
ETH0_D-: P1.9 U1.24
ETH0_LED_LINK1: P1.17 U1.16
ETH0_LED_LINK2: P1.15 U1.22
ETH0_LED_RX: P1.13 U1.4
HDMI_CEC: U1.34 U22.16
HDMI_D0+: J4.7 U1.36 U22.10 U22.29
HDMI_D0-: J4.9 U1.38 U22.12 U22.27
HDMI_D1+: J4.4 U1.42 U22.7 U22.32
HDMI_D1-: J4.6 U1.44 U22.9 U22.30
HDMI_D2+: J4.1 U1.48 U22.4 U22.35
HDMI_D2-: J4.3 U1.50 U22.6 U22.33
HDMI_D3+: J4.10 U1.30 U22.13 U22.26
HDMI_D3-: J4.12 U1.32 U22.15 U22.24
HDMI_HPD: R46.1 U1.40 U22.19
HDMI_SCL: R47.1 U1.25 U22.17
HDMI_SDA: R48.1 U1.31 U22.18
IMX_JTAG_RSTn: J19.15 R119.2 R149.2 U1.56
IMX_JTAG_TCK: J19.9 R120.1 U1.66
IMX_JTAG_TDI: J19.5 R118.2 U1.70
IMX_JTAG_TDO: J19.13 U1.72
IMX_JTAG_TMS: J19.7 R117.2 U1.68
IMX_ONOFF: SW7.2 U1.165
IMX_RESETn: R115.2 SW6.2 U1.171
IMX_UART1_RX: J18.2 U1.117
IMX_UART1_TX: J18.1 U1.111
IMX_UART2_RX: J20.2 U1.63
IMX_UART2_TX: J20.1 U1.58
LPC_MISO: R124.2 U1.15
LPC_MOSI: R125.2 U1.11
LPC_SCK: R126.2 U1.13
PCIE1_CLK_N: R116.1 U1.121 U11.11
PCIE1_CLK_P: R147.1 U1.119 U11.13
PCIE1_CLKREQn: U1.5 U11.7
PCIE1_RX_N: U1.133 U11.23
PCIE1_RX_P: U1.131 U11.25
PCIE1_TX_N: U1.127 U11.31
PCIE1_TX_P: U1.125 U11.33
PCIE2_CLK_N: J10.53 R148.1 U1.179
PCIE2_CLK_P: J10.55 R146.1 U1.181
PCIE2_CLKREQn: J10.52 U1.3
PCIE2_RX_N: J10.41 U1.167
PCIE2_RX_P: J10.43 U1.169
PCIE2_TX_N: C122.2 U1.175
PCIE2_TX_P: C121.2 U1.173
PCIE_RESETn: J10.50 U11.22
PCIE_WDISn: U11.20
SD2_CD: R42.2 U1.61
SD2_CLK: J3.5 U1.80
SD2_CMD: J3.2 U1.82
SD2_DATA0: J3.7 U1.84
SD2_DATA1: J3.8 U1.86
SD2_DATA2: J3.9 U1.88
SD2_DATA3: J3.1 U1.90
SD2_WP: U1.67
USB1_DN: U1.178 U9.54
USB1_DP: U1.176 U9.53
USB1_RX_N: U1.184 U9.59
USB1_RX_P: U1.182 U9.58
USB1_TX_N: C45.2 U1.190
USB1_TX_P: C44.2 U1.188
USB2_DN: J17.2 U1.170
USB2_DP: J17.3 U1.172
USB2_RX_N: J17.5 U1.160
USB2_RX_P: J17.6 U1.158
USB2_TX_N: C80.1 U1.166
USB2_TX_P: C82.1 U1.164
USB3_1_DN: J6.2 U9.2
USB3_1_DP: J6.3 U9.1
USB3_1_EN: R83.1 U9.36
USB3_1_OVERCURn: R86.1 R89.2 U9.46
USB3_1_SSRXN: J6.5 U9.7
USB3_1_SSRXP: J6.6 U9.6
USB3_1_SSTXN: C40.1 U9.4
USB3_1_SSTXP: C42.1 U9.3
USB3_1_VBUS: FB5.1 U15.8
USB3_2_DN: J5.2 U9.10
USB3_2_DP: J5.3 U9.9
USB3_2_EN: R82.2 U9.35
USB3_2_OVERCURn: R85.1 R88.2 U9.47
USB3_2_SSRXN: J5.5 U9.15
USB3_2_SSRXP: J5.6 U9.14
USB3_2_SSTXN: C39.1 U9.12
USB3_2_SSTXP: C41.1 U9.11
USB3_2_VBUS: FB9.1 U15.9
USB3_3_DN: R92.1 U9.18
USB3_3_DP: R90.1 U9.17
USB3_3_EN: R95.1 U9.33
USB3_3_OVERCURn: R84.1 R101.2 U9.44
USB3_3_SSRXN: U9.23
USB3_3_SSRXP: U9.22
USB3_3_SSTXN: U9.20
USB3_3_SSTXP: U9.19
USB3_3_VBUS: FB6.1 U16.8
USB3_4_DN: R93.1 U9.25
USB3_4_DP: R91.1 U9.24
USB3_4_EN: R94.2 U9.32
USB3_4_OVERCURn: R81.1 R100.2 U9.43
USB3_4_SSRXN: U9.30
USB3_4_SSRXP: U9.29
USB3_4_SSTXN: U9.27
USB3_4_SSTXP: U9.26
USB3_4_VBUS: FB7.1 U16.9
